# Altium PCB SAM_E54_Xplained_Pro.PcbDoc (part 5 of 5) (continued)
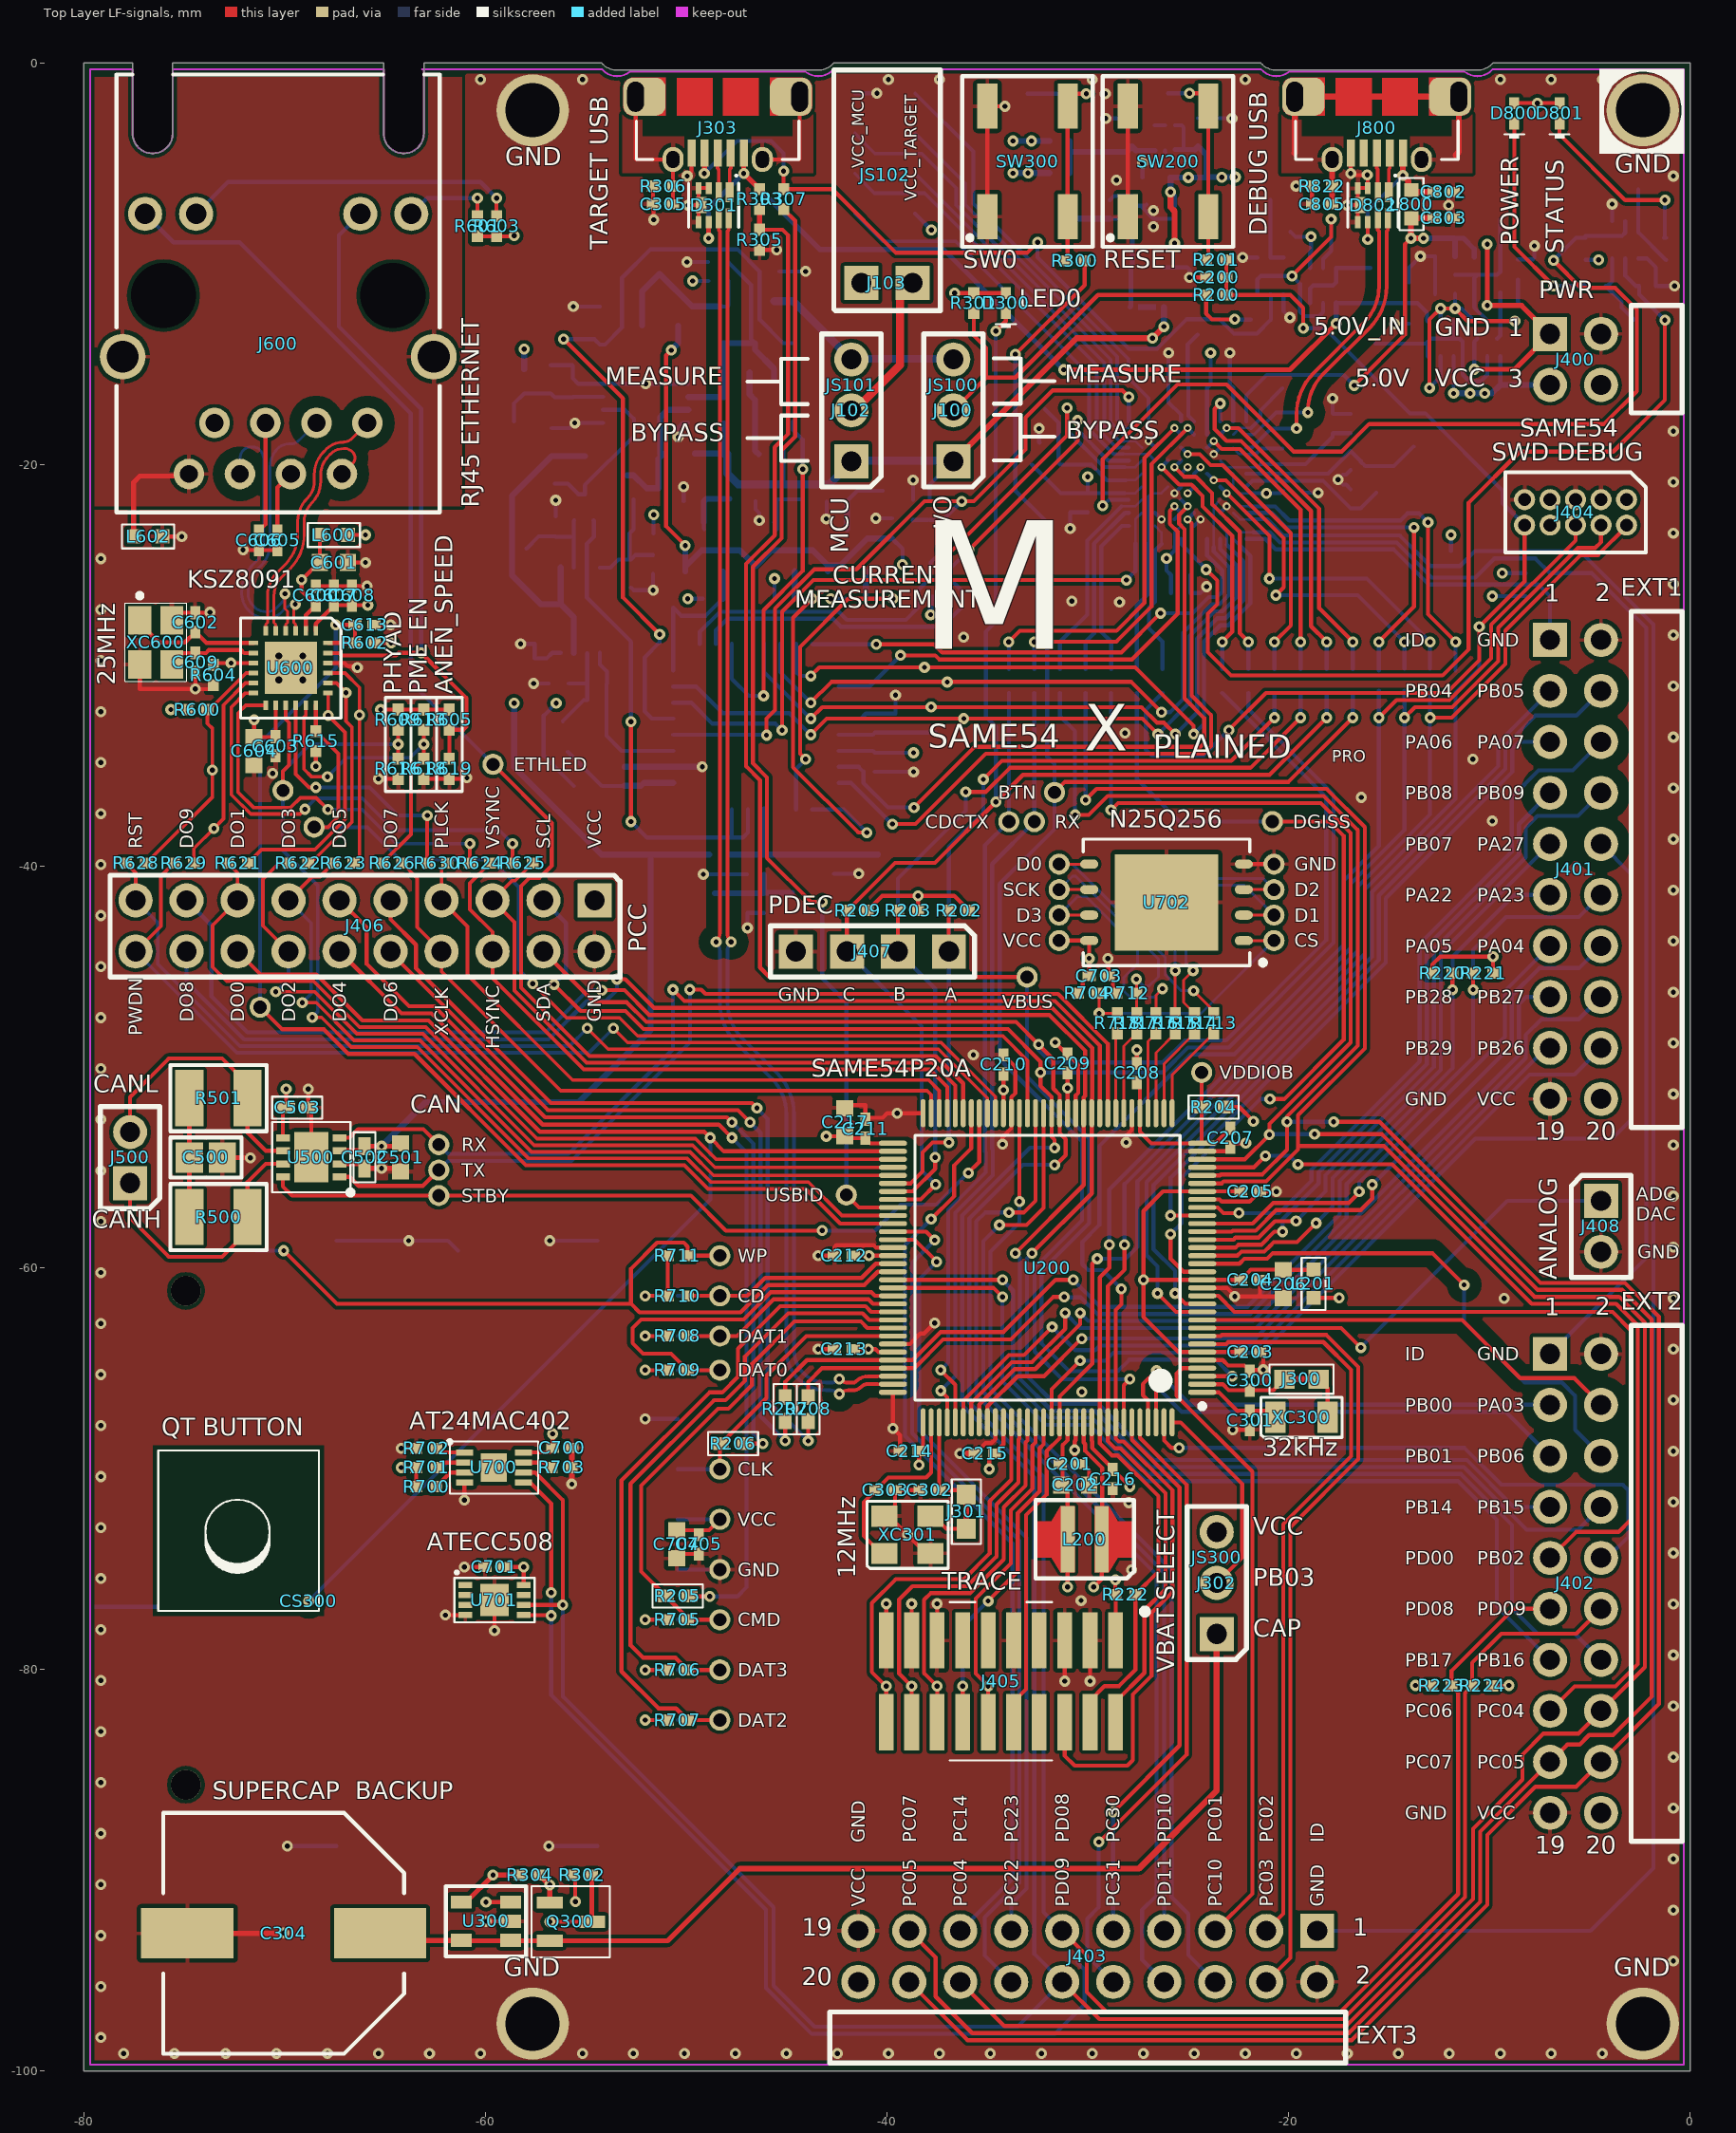
[diagram p0: Top Layer LF-signals view]
## Silkscreen, mask and mechanical layers (free items; w line width, h text height) (continued)
  text "VBAT SELECT" at -25.375,-80.188 h1.5 r90
  text "DAT3" at -47.423,-80.366 h0.67
  text "PC06" at -14.203,-82.406 h0.67
  text "PC04" at -10.611,-82.406 h0.67
  text "DAT2" at -47.423,-82.866 h0.67
  text "PC07" at -14.203,-84.946 h0.67
  text "PC05" at -10.611,-84.946 h0.67
  text "SUPERCAP  BACKUP" at -73.6,-86.775 h1.5
  text "GND" at -14.203,-87.486 h0.67
  text "VCC" at -10.611,-87.486 h0.67
  text "GND" at -41.094,-88.647 h0.67 r90
  text "PC07" at -38.554,-88.647 h0.67 r90
  text "PC14" at -36.014,-88.647 h0.67 r90
  text "PC23" at -33.474,-88.647 h0.67 r90
  text "PD08" at -30.934,-88.647 h0.67 r90
  text "PC30" at -28.394,-88.647 h0.67 r90
  text "PD10" at -25.854,-88.647 h0.67 r90
  text "PC01" at -23.314,-88.647 h0.67 r90
  text "PC02" at -20.774,-88.647 h0.67 r90
  text "ID" at -18.234,-88.647 h0.67 r90
  text "19" at -7.725,-89.485 h1.5
  text "20" at -5.2,-89.485 h1.5
  text "VCC" at -41.094,-91.839 h0.67 r90
  text "PC05" at -38.554,-91.839 h0.67 r90
  text "PC04" at -36.014,-91.839 h0.67 r90
  text "PC22" at -33.474,-91.839 h0.67 r90
  text "PD09" at -30.934,-91.839 h0.67 r90
  text "PC31" at -28.394,-91.839 h0.67 r90
  text "PD11" at -25.854,-91.839 h0.67 r90
  text "PC10" at -23.314,-91.839 h0.67 r90
  text "PC03" at -20.774,-91.839 h0.67 r90
  text "GND" at -18.234,-91.839 h0.67 r90
  text "19" at -44.25,-93.575 h1.5
  text "1" at -16.8,-93.575 h1.5
  text "GND" at -59.1,-95.6 h1.52
  text "GND" at -3.8,-95.6 h1.52
  text "2" at -16.65,-95.975 h1.5
  text "20" at -44.25,-96.05 h1.5
  text "EXT3" at -16.65,-98.95 h1.5
Bottom Overlay:
  lines w0.15: -34.525,-35.1 -11.068,-35.1 ; -34.525,-35.025 -34.525,-29.5 -11.068,-29.5 -11.068,-35.025
  text "BOOT" at -34.05,-1.9 h1.5
  text "GND" at -43.352,-2.825 h1.2 r270
  text "TCK" at -42.6,-4 h1.5
  text "RST" at -34.827,-4 h1.5
  text "TDI" at -42.6,-6 h1.5
  text "TDO" at -34.6,-6 h1.5
  text "TMS" at -42.6,-8 h1.5
  text "VCC" at -34.621,-8 h1.5
  text "5V_IN" at -5.458,-12.358 h0.67
  text "GND" at -0.875,-14.125 h0.67
  text "3.3V" at -0.9,-16.35 h0.67
  text "5.0V" at -5.794,-17.9 h0.67
  text "GND" at -8.58,-20.895 h0.67 r270
  text "GND" at -6.04,-20.895 h0.67 r270
  text "GND" at -4.77,-20.895 h0.67 r270
  text "VCC" at -3.5,-20.895 h0.67 r270
  text "RST" at -7.344,-24.5 h0.67
  text "PA31" at -3.496,-26.067 h0.67 r270
  text "PB30" at -6.036,-26.291 h0.67 r270
  text "PA30" at -4.766,-26.291 h0.67 r270
  text "TXD" at -34.266,-28.23 h0.67 r270
  text "RXD" at -32.991,-28.23 h0.67 r270
  text "SCK" at -31.716,-28.23 h0.67 r270
  text "MOSI" at -30.441,-28.23 h0.67 r270
  text "MISO" at -29.166,-28.23 h0.67 r270
  text "SS" at -27.891,-28.23 h0.67 r270
  text "SDA" at -23.631,-28.23 h0.67 r270
  text "SCL" at -22.34,-28.23 h0.67 r270
  text "GPIO0" at -21.049,-28.23 h0.67 r270
  text "GPIO1" at -19.757,-28.23 h0.67 r270
  text "GPIO2" at -18.466,-28.23 h0.67 r270
  text "GPIO3" at -17.175,-28.23 h0.67 r270
  text "SWO" at -15.884,-28.23 h0.67 r270
  text "SWCLK" at -14.593,-28.23 h0.67 r270
  text "SWDIO" at -13.301,-28.23 h0.67 r270
  text "RESET" at -12.01,-28.23 h0.67 r270
  text "SNS" at -25.625,-28.825 h0.67 r270
  text "ID" at -8.142,-29.066 h0.67
  text "GND" at -0.795,-29.066 h0.67
  text "PB04" at -8.142,-31.606 h0.67
  text "PB05" at -0.795,-31.606 h0.67
  text "PC15" at -59.961,-33.915 h0.67 r270
  text "PA06" at -8.142,-34.146 h0.67
  text "PA07" at -0.795,-34.146 h0.67
  text "PB25" at -34.266,-34.73 h0.67 r270
  text "PB24" at -32.991,-34.73 h0.67 r270
  text "PC05" at -31.716,-34.73 h0.67 r270
  text "PC04" at -30.441,-34.73 h0.67 r270
  text "PC07" at -29.166,-34.73 h0.67 r270
  text "PD01" at -27.891,-34.73 h0.67 r270
  text "RSTN" at -26.616,-34.73 h0.67 r270
  text "PD08" at -23.631,-34.73 h0.67 r270
  text "PD09" at -22.34,-34.73 h0.67 r270
  text "PC16" at -21.049,-34.73 h0.67 r270
  text "PC17" at -19.757,-34.73 h0.67 r270
  text "PC18" at -18.466,-34.73 h0.67 r270
  text "PB31" at -17.175,-34.73 h0.67 r270
  text "PB30" at -15.884,-34.73 h0.67 r270
  text "PA30" at -14.593,-34.73 h0.67 r270
  text "PA31" at -13.301,-34.73 h0.67 r270
  text "RSTN" at -12.01,-34.73 h0.67 r270
  text "PC20" at -70.423,-35.265 h0.67 r270
  text "EDBG DISCONNECT" at -17.926,-36.1 h0.67
  text "PB31" at -32.665,-36.661 h0.67
  text "PB08" at -8.142,-36.686 h0.67
  text "PB09" at -0.795,-36.686 h0.67
  text "PD12" at -68.874,-37.048 h0.67 r270
  text "PB25" at -34.939,-38.116 h0.67
  text "PB24" at -29.186,-38.116 h0.67
  text "PD01" at -21.81,-38.113 h0.67
  text "PB07" at -8.142,-39.226 h0.67
  text "PA27" at -0.795,-39.226 h0.67
  text "PA08" at -27.956,-40.231 h0.67
  text "GND" at -21.735,-40.231 h0.67
  text "PC12" at -77.766,-40.4 h0.67 r270
  text "PB15" at -75.226,-40.4 h0.67 r270
  text "PA17" at -72.686,-40.4 h0.67 r270
  text "PA19" at -70.146,-40.4 h0.67 r270
  text "PA21" at -67.606,-40.4 h0.67 r270
  text "PA23" at -65.066,-40.4 h0.67 r270
  text "PA14" at -62.526,-40.4 h0.67 r270
  text "PA12" at -59.986,-40.4 h0.67 r270
  text "PD09" at -57.446,-40.4 h0.67 r270
  text "VCC" at -54.906,-40.4 h0.67 r270
  text "PB10" at -28.068,-41.501 h0.67
  text "PA10" at -21.735,-41.501 h0.67
  text "PA22" at -8.142,-41.766 h0.67
  text "PA23" at -0.795,-41.766 h0.67
  text "PA11" at -28.292,-42.771 h0.67
  text "PA09" at -21.735,-42.771 h0.67
  text "VCC" at -28.628,-44.041 h0.67
  text "PB11" at -21.735,-44.041 h0.67
  text "PA05" at -8.142,-44.306 h0.67
  text "PA04" at -0.795,-44.306 h0.67
  text "PC00" at -29.567,-45.861 h0.67
  text "PB28" at -8.142,-46.846 h0.67
  text "PB27" at -0.795,-46.846 h0.67
  text "GND" at -54.906,-47.298 h0.67 r270
  text "GND" at -44.871,-47.413 h0.67 r270
  text "PC11" at -77.766,-47.634 h0.67 r270
  text "PB14" at -75.226,-47.858 h0.67 r270
  text "PA16" at -72.686,-47.858 h0.67 r270
  text "PA18" at -70.146,-47.858 h0.67 r270
  text "PA15" at -62.526,-47.858 h0.67 r270
  text "PA13" at -59.986,-47.858 h0.67 r270
  text "PA20" at -67.606,-47.97 h0.67 r270
  text "PA22" at -65.066,-47.97 h0.67 r270
  text "PD08" at -57.446,-47.97 h0.67 r270
  text "PC18" at -42.331,-47.972 h0.67 r270
  text "PC17" at -39.791,-47.972 h0.67 r270
  text "PC16" at -37.251,-47.972 h0.67 r270
  text "XPLAINED PRO" at -14.925,-48.293 h0.67
  text "PB29" at -8.142,-49.386 h0.67
  text "PB26" at -0.795,-49.386 h0.67
  text "EXTENSION HEADER" at -13.581,-49.443 h0.67
  text "PC21" at -71.561,-50.169 h0.67 r270
  text "VDDIOB" at -25.335,-50.611 h0.67
  text "GND" at -8.142,-51.926 h0.67
  text "VCC" at -0.795,-51.926 h0.67
  text "ID" at -18.85,-53 h1.3
  text "GND" at -11.725,-53 h1.3
  text "CANL" at -73.773,-53.578 h0.67
  text "PB13" at -58.848,-54.201 h0.67
  text "ADC+" at -18.85,-55.125 h1.3
  text "ADC-" at -11.725,-55.125 h1.3
  text "PB12" at -58.848,-55.471 h0.67
  text "CANH" at -73.773,-56.118 h0.67
  text "PC19" at -38.667,-56.711 h0.67
  text "PC13" at -58.848,-56.741 h0.67
  text "PA02" at -0.795,-56.974 h0.67
  text "GPIO0" at -18.85,-57.25 h1.3
  text "GPIO1" at -11.725,-57.25 h1.3
  text "QTOUCH / DISCONNECT" at -51.45,-58.178 h0.67 r270
  text "PWM+" at -18.85,-59.375 h1.3
  text "PWM-" at -11.725,-59.375 h1.3
  text "GND" at -0.795,-59.515 h0.67
  text "PD21" at -44.848,-59.736 h0.67
  text "VDDANA" at -27.561,-59.815 h0.67 r270
  text "IRQ" at -18.85,-61.5 h1.3
  text "SPI_SS_B" at -11.725,-61.5 h1.3
  text "PD20" at -44.848,-61.736 h0.67
  text "TWI_SDA" at -18.85,-63.625 h1.3
  text "TWI_SCL" at -11.725,-63.625 h1.3
  text "PB19" at -44.848,-63.736 h0.67
  text "ID" at -8.142,-64.626 h0.67
  text "GND" at -0.795,-64.626 h0.67
  text "PB18" at -44.848,-65.436 h0.67
  text "UART_RX" at -18.85,-65.75 h1.3
  text "UART_TX" at -11.725,-65.75 h1.3
  text "PB00" at -8.142,-67.166 h0.67
  text "PA03" at -0.795,-67.166 h0.67
  text "SPI_SS_A" at -18.85,-67.875 h1.3
  text "SPI_MOSI" at -11.725,-67.875 h1.3
  text "PB01" at -8.142,-69.706 h0.67
  text "PB06" at -0.795,-69.706 h0.67
  text "SPI_MISO" at -18.85,-70 h1.3
  text "SPI_SCK" at -11.725,-70 h1.3
  text "PA21" at -44.848,-70.366 h0.67
  text "GND" at -18.85,-72.125 h1.3
  text "VCC" at -11.725,-72.125 h1.3
  text "PB14" at -8.142,-72.246 h0.67
  text "PB15" at -0.795,-72.246 h0.67
  text "VCC" at -44.848,-72.866 h0.67
  text "VCC" at -24.872,-73.496 h0.67
  text "PD00" at -8.142,-74.786 h0.67
  text "PB02" at -0.795,-74.786 h0.67
  text "VDDCORE" at -31.336,-75.04 h0.67 r270
  text "VSW" at -30.036,-75.04 h0.67 r270
  text "GND" at -44.848,-75.366 h0.67
  text "PB03" at -24.872,-76.036 h0.67
  text "SD CARD" at -78.9,-76.054 h1.5 r270
  text "PD08" at -8.142,-77.326 h0.67
  text "PD09" at -0.795,-77.326 h0.67
  text "PA20" at -44.848,-77.866 h0.67
  text "CAP" at -24.872,-78.576 h0.67
  text "PB17" at -8.142,-79.866 h0.67
  text "PB16" at -0.795,-79.866 h0.67
  text "PC24" at -40.376,-79.985 h0.67 r270
  text "PC25" at -39.106,-79.985 h0.67 r270
  text "PC26" at -37.836,-79.985 h0.67 r270
  text "PC28" at -36.566,-79.985 h0.67 r270
  text "PC27" at -35.296,-79.985 h0.67 r270
  text "PB21" at -44.848,-80.366 h0.67
  text "Microchip © 2017" at -12.58,-82.287 h2
  text "PC06" at -8.142,-82.406 h0.67
  text "PC04" at -0.795,-82.406 h0.67
  text "PB20" at -44.848,-82.866 h0.67
  text "PC07" at -8.142,-84.946 h0.67
  text "PC05" at -0.795,-84.946 h0.67
  text "GND" at -8.142,-87.486 h0.67
  text "VCC" at -0.795,-87.486 h0.67
  text "A08-2643 Rev 3" at -13.903,-87.705 h2
  text "GND" at -41.766,-91.853 h0.67 r270
  text "PC07" at -39.226,-91.853 h0.67 r270
  text "PC14" at -36.686,-91.853 h0.67 r270
  text "PC23" at -34.146,-91.853 h0.67 r270
  text "PD08" at -31.606,-91.853 h0.67 r270
  text "PC30" at -29.066,-91.853 h0.67 r270
  text "PD10" at -26.526,-91.853 h0.67 r270
  text "PC01" at -23.986,-91.853 h0.67 r270
  text "PC02" at -21.446,-91.853 h0.67 r270
  text "ID" at -18.906,-91.853 h0.67 r270
  text "t" at -60.075,-97.534 h5
  text "p" at -65.15,-98.15 h5
  text "c" at -49.525,-98.157 h5
  text "VCC" at -41.766,-99.295 h0.67 r270
  text "PC05" at -39.226,-99.295 h0.67 r270
  text "PC04" at -36.686,-99.295 h0.67 r270
  text "PC22" at -34.146,-99.295 h0.67 r270
  text "PD09" at -31.606,-99.295 h0.67 r270
  text "PC31" at -29.066,-99.295 h0.67 r270
  text "PD11" at -26.526,-99.295 h0.67 r270
  text "PC10" at -23.986,-99.295 h0.67 r270
  text "PC03" at -21.446,-99.295 h0.67 r270
  text "GND" at -18.906,-99.295 h0.67 r270
Board (M1):
  lines w0.1: -75.579,-0.004 -75.579,-3.5 cw(c-76.579,-3.5) -77.579,-3.5 -77.579,0 -80,0 -80,-100 0,-100 0,0 -9.825,0 cw(c-10.6,0.686) -10.6,-0.35 -20.6,-0.35 cw(c-20.6,0.686) -21.375,-0.001 -42.659,0 cw(c-43.434,0.686) -43.434,-0.35 -53.434,-0.35 cw(c-53.434,0.686) -54.209,-0.001 -63.071,0 ; -75.579,0 -65.071,0 -65.071,-3.475 ; -65.071,-3.5 ccw(c-64.071,-3.5) -63.071,-3.5 -63.071,-0.004 ; -19.1,-0.353 -12.082,-0.353
Conn. Pos. (M4):
  circle w0.254: c-6.97,-87.15 r0.5
  circle w0.254: c-4.43,-87.15 r0.5
  circle w0.254: c-4.43,-84.61 r0.5
  circle w0.254: c-6.97,-84.61 r0.5
  circle w0.254: c-6.97,-82.07 r0.5
  circle w0.254: c-4.43,-82.07 r0.5
  circle w0.254: c-4.43,-79.53 r0.5
  circle w0.254: c-6.97,-79.53 r0.5
  circle w0.254: c-4.43,-76.99 r0.5
  circle w0.254: c-6.97,-76.99 r0.5
  circle w0.254: c-6.97,-74.45 r0.5
  circle w0.254: c-4.43,-74.45 r0.5
  circle w0.254: c-4.43,-71.91 r0.5
  circle w0.254: c-6.97,-71.91 r0.5
  circle w0.254: c-4.43,-69.37 r0.5
  circle w0.254: c-6.97,-69.37 r0.5
  circle w0.254: c-4.43,-66.83 r0.5
  circle w0.254: c-6.97,-66.83 r0.5
  circle w0.254: c-4.43,-64.29 r0.5
  circle w0.254: c-6.97,-64.29 r0.5
  circle w0.254: c-18.57,-93.03 r0.5
  circle w0.254: c-18.57,-95.57 r0.5
  circle w0.254: c-21.11,-93.03 r0.5
  circle w0.254: c-21.11,-95.57 r0.5
  circle w0.254: c-23.65,-93.03 r0.5
  circle w0.254: c-23.65,-95.57 r0.5
  circle w0.254: c-26.19,-93.03 r0.5
  circle w0.254: c-26.19,-95.57 r0.5
  circle w0.254: c-28.73,-95.57 r0.5
  circle w0.254: c-28.73,-93.03 r0.5
  circle w0.254: c-31.27,-93.03 r0.5
  circle w0.254: c-31.27,-95.57 r0.5
  circle w0.254: c-33.81,-93.03 r0.5
  circle w0.254: c-33.81,-95.57 r0.5
  circle w0.254: c-36.35,-95.57 r0.5
  circle w0.254: c-36.35,-93.03 r0.5
  circle w0.254: c-38.89,-93.03 r0.5
  circle w0.254: c-38.89,-95.57 r0.5
  circle w0.254: c-41.43,-95.57 r0.5
  circle w0.254: c-41.43,-93.03 r0.5
  circle w0.2: c-57.65,-97.65 r1.35
  circle w0.2: c-2.35,-97.65 r1.35
  circle w0.254: c-6.97,-28.73 r0.5
  circle w0.254: c-4.43,-28.73 r0.5
  circle w0.254: c-6.97,-31.27 r0.5
  circle w0.254: c-4.43,-31.27 r0.5
  circle w0.254: c-6.97,-33.81 r0.5
  circle w0.254: c-4.43,-33.81 r0.5
  circle w0.254: c-6.97,-36.35 r0.5
  circle w0.254: c-4.43,-36.35 r0.5
  circle w0.254: c-4.43,-38.89 r0.5
  circle w0.254: c-6.97,-38.89 r0.5
  circle w0.254: c-6.97,-41.43 r0.5
  circle w0.254: c-4.43,-41.43 r0.5
  circle w0.254: c-6.97,-43.97 r0.5
  circle w0.254: c-4.43,-43.97 r0.5
  circle w0.254: c-4.43,-46.51 r0.5
  circle w0.254: c-6.97,-46.51 r0.5
  circle w0.254: c-6.97,-49.05 r0.5
  circle w0.254: c-4.43,-49.05 r0.5
  circle w0.254: c-4.43,-51.59 r0.5
  circle w0.254: c-6.97,-51.59 r0.5
  circle w0.254: c-4.43,-13.49 r0.5
  circle w0.254: c-6.97,-13.49 r0.5
  circle w0.254: c-6.97,-16.03 r0.5
  circle w0.254: c-4.43,-16.03 r0.5
  circle w0.2: c-2.35,-2.35 r1.35
  circle w0.2: c-57.65,-2.35 r1.35
  region: -10.891,-0.725 -12.991,-0.725 -12.991,-2.625 -10.891,-2.625
  region: -13.559,-0.725 -15.334,-0.725 -15.334,-2.625 -13.559,-2.625
  rectangle: -17.641,-2.625 -15.866,-0.725
  rectangle: -20.291,-2.625 -18.191,-0.725
  rectangle: -14.516,-5.15 -14.091,-3.8
  rectangle: -15.166,-5.15 -14.741,-3.8
  rectangle: -15.816,-5.15 -15.391,-3.8
  rectangle: -16.466,-5.15 -16.041,-3.8
  rectangle: -17.116,-5.15 -16.691,-3.8
  rectangle: -49.95,-5.15 -49.525,-3.8
  rectangle: -49.3,-5.15 -48.875,-3.8
  rectangle: -48.65,-5.15 -48.225,-3.8
  rectangle: -48,-5.15 -47.575,-3.8
  rectangle: -47.35,-5.15 -46.925,-3.8
  rectangle: -53.125,-2.625 -51.025,-0.725
  rectangle: -50.475,-2.625 -48.7,-0.725
  region: -46.393,-0.725 -48.168,-0.725 -48.168,-2.625 -46.393,-2.625
  region: -43.725,-0.725 -45.825,-0.725 -45.825,-2.625 -43.725,-2.625
  lines w0.1: -30.5,-94.3 -29.5,-94.3 ; -30,-94.792 -30,-93.792 ; -6.208,-75.72 -5.208,-75.72 ; -6.208,-40.16 -5.208,-40.16 ; -6.208,-14.76 -5.208,-14.76 ; -5.708,-15.26 -5.708,-14.26 ; -5.7,-76.22 -5.7,-75.22 ; -5.7,-40.66 -5.7,-39.66
  text "Connector Placement" at -54.966,6.575 h5
  text "TARGET USB" at -53.25,-7.575 h1
  text "DEBUG USB" at -19.95,-7.575 h1
  text "1" at -7.137,-12.05 h1
  text "2" at -4.763,-12.05 h1
  text "Power Header" at -22.594,-15.26 h1
  text "1" at -7.137,-27.29 h1
  text "2" at -4.763,-27.29 h1
  text "Extension Header 1" at -28.092,-40.66 h1
  text "1" at -7.137,-62.85 h1
  text "2" at -4.763,-62.85 h1
  text "Extension Header 2" at -28.092,-76.22 h1
  text "Extension Header 3" at -38.664,-91.138 h1
  text "1" at -15.78,-93.197 h1 r90
  text "2" at -15.78,-95.903 h1 r90
TP Pos. (M5):
  circle w0.5: c-26,-1.5 r0.25
  circle w0.5: c-33,-1.5 r0.25
  circle w0.5: c-38.6,-7.5 r0.25
  circle w0.5: c-38.6,-5.5 r0.25
  circle w0.5: c-38.6,-3.5 r0.25
  circle w0.5: c-38.6,-1.5 r0.25
  circle w0.5: c-41.6,-7.5 r0.25
  circle w0.5: c-41.6,-5.5 r0.25
  circle w0.5: c-41.6,-3.5 r0.25
  circle w0.5: c-41.6,-1.5 r0.25
  circle w0.2: c-2.35,-2.35 r1.35
  circle w0.2: c-57.65,-2.35 r1.35
  lines w0.3: -48.15,-22.225 -41.65,-22.225 -41.65,-8.425 ; -48.15,-20.075 -43.6,-20.075 -43.6,-5.525 ; -48.15,-17.8 -44.625,-17.8 -44.625,-3.475 -42.325,-3.475 ; -48.15,-15.725 -45.525,-15.725 -45.525,-1.5 -42.325,-1.5 ; -43.054,-6.2 -42.354,-5.5 -43.054,-4.8 ; -43.025,-4.175 -42.325,-3.475 ; -43.025,-2.775 -42.325,-3.475 ; -43.025,-2.2 -42.325,-1.5 ; -43.025,-0.8 -42.325,-1.5 ; -42.35,-9.125 -41.65,-8.425 ; -42.3,-9.225 -41.6,-8.525 -40.9,-9.225 ; -40.95,-9.125 -41.65,-8.425 ; -39.3,-9.225 -38.6,-8.525 -37.9,-9.225 ; -39.25,-9.125 -38.55,-8.425 ; -37.85,-9.125 -38.55,-8.425 ; -37.175,-6.125 -37.875,-5.425 ; -37.175,-4.725 -37.875,-5.425 ; -37.175,-4.175 -37.875,-3.475 ; -37.175,-2.775 -37.875,-3.475 ; -37.175,-2.2 -37.875,-1.5 ; -37.175,-0.8 -37.875,-1.5 ; -33.675,-3.25 -32.975,-2.55 ; -32.975,-7.125 -32.975,-2.55 ; -32.275,-3.25 -32.975,-2.55 ; -32.05,-22.225 -38.55,-22.225 -38.55,-8.425 ; -32.05,-20.075 -36.6,-20.075 -36.6,-5.425 -37.875,-5.425 ; -32.05,-17.8 -35.575,-17.8 -35.575,-3.475 -37.875,-3.475 ; -32.05,-15.725 -34.675,-15.725 -34.675,-1.5 -37.875,-1.5 ; -26.7,-3.2 -26,-2.5 ; -26,-4.5 -26,-2.5 ; -25.3,-3.2 -26,-2.5
  text "Test Points Placement" at -54.966,14.675 h5
  text "TP_TARGET_RESET" at -26.425,-6.075 h1
  text "TP_TARGET_BOOT" at -33.45,-8.7 h1
  text "TP_GND" at -54.427,-16.175 h1
  text "TP_EDBG_BOOT" at -31.25,-16.175 h1
  text "TP_EDBG_TCK" at -59.377,-18.383 h1
  text "TP_EDBG_RESET" at -31.25,-18.383 h1
  text "TP_EDBG_TDI" at -59.044,-20.592 h1
  text "TP_EDBG_TDO" at -31.25,-20.592 h1
  text "TP_EDBG_TMS" at -59.377,-22.8 h1
  text "TP_VCC_EDBG_P3V3" at -31.25,-22.8 h1
  text "TEST POINTS ON BOTTOM LAYER" at -52.725,-27.9 h1
Dimentions (M6):
  circle w0.254: c-57.65,-2.35 r1.35
  circle w0.254: c-2.35,-2.35 r1.35
  circle w0.254: c-2.35,-97.65 r1.35
  circle w0.254: c-57.65,-97.65 r1.35
  text "Mechanical Dimensions" at -54.966,10.725 h5
Conn. Doc. (M7):
  drawing of 286 lines, arcs and shapes, not listed
  text "TARGET USB" at -53.269,-6.95 h1
  text "DEBUG USB" at -19.95,-6.95 h1
  text "1" at -41.437,-9.569 h1
  text "2" at -39.063,-9.569 h1
  text "MCU Power" at -35.625,-10.586 h1 r90
  text "1" at -7.162,-12.05 h1
  text "2" at -4.788,-12.05 h1
  text "MEASURE" at -31.15,-16.2 h1.5
  text "MEASURE" at -54.024,-16.323 h1.5
  text "Power Header" at -1.563,-16.403 h1 r90
  text "BYPASS" at -31.075,-19.025 h1.5
  text "BYPASS" at -52.755,-19.144 h1.5
  text "I/O" at -36.5,-23.25 h1.5 r90
  text "CORTEX / DEBUG" at -18.702,-24.2 h1
  text "Ethernet" at -73.907,-24.375 h1
  text "MCU" at -41.625,-24.4 h1.5 r90
  text "1" at -7.162,-27.29 h1
  text "2" at -4.788,-27.29 h1
  text "Current Measurement" at -47,-28.375 h1
  text "Parallel Capture Controller" at -78.663,-47.125 h1
  text "Extension Header 1" at -1.687,-48.657 h1 r90
  text "Position Decoder" at -44.625,-48.95 h1
  text "CAN" at -74.875,-55.825 h1 r90
  text "ADC/DAC" at -1.25,-61.272 h1 r90
  text "1" at -7.162,-62.85 h1
  text "2" at -4.788,-62.85 h1
  text "SD Card" at -68.757,-74.212 h1
  text "Backup" at -20.425,-78.532 h1 r90
  text "Extension Header 2" at -1.687,-84.217 h1 r90
  text "CORTEX / DEBUG + ETM" at -40.526,-89.2 h1
  text "1" at -16.768,-93.53 h1
  text "2" at -16.768,-96.07 h1
  text "Extension Header 3" at -38.664,-98.875 h1
Test Jig (M9):
  circle w0.5: c-57.65,-2.35 r1.5
  circle w0.5: c-57.65,-97.65 r1.5
  circle w0.5: c-2.35,-2.35 r1.5
  circle w0.5: c-2.35,-97.65 r1.5
  circle w0.5: c-31.65,44 r1.25
  circle w0.5: c-0.4,44 r1.25
  circle w0.5: c-64.4,44 r1.25
  region: -130.651,-37.181 -130.65,-37.181 -130.651,-37.181
  lines w0.5: -113.65,-62.5 -130.65,-62.5 cw(c-130.65,-61) -132.15,-61 -132.15,-39 cw(c-130.65,-39) -130.65,-37.5 -113.65,-37.5 ; -2.15,-62.5 ccw(c-3.65,-62.5) -3.65,-61 -22.15,-61 -22.15,-55 -3.65,-55 ccw(c-3.65,-53.5) -2.15,-53.5 ; -2.15,-61 ccw(c-0.65,-61) -0.65,-62.5 15.35,-62.5 ccw(c15.35,-61) 16.85,-61 16.85,-39 ccw(c15.35,-39) 15.35,-37.5 -2.15,-37.5 ; -0.15,-6.5 cw(c-0.15,-8) 1.35,-8 1.35,-18 cw(c-0.15,-18) -0.15,-19.5 -2.15,-19.5 -2.15,-92.5 cw(c-3.65,-92.5) -3.65,-94 -10.15,-94 -10.15,-97 cw(c-11.65,-97) -11.65,-98.5 -48.65,-98.5 cw(c-48.65,-97) -50.15,-97 -50.15,-94 -65.15,-94 -65.15,-97 cw(c-66.65,-97) -66.65,-98.5 -103.65,-98.5 cw(c-103.65,-97) -105.15,-97 -105.15,-94 -112.15,-94 cw(c-112.15,-92.5) -113.65,-92.5 -113.65,-8 cw(c-112.15,-8) -112.15,-6.5 -106.65,-6.5 ccw(c-106.65,-5) -105.15,-5 -105.15,-2 cw(c-103.65,-2) -103.65,-0.5 -66.65,-0.5 cw(c-66.65,-2) -65.15,-2 -65.15,-6.5 -50.15,-6.5 -50.15,-2 cw(c-48.65,-2) -48.65,-0.5 -11.65,-0.5 cw(c-11.65,-2) -10.15,-2 -10.15,-5 ccw(c-8.65,-5) -8.65,-6.5 -0.144,-6.5 ; -147.15,-114.318 -147.15,46.318 -143.968,49.5 28.668,49.5 31.85,46.318 31.85,-114.318 28.668,-117.5 -143.968,-117.5 -147.15,-114.318 ; -71.15,3.5 cw(c-71.15,5) -71.15,6.5 -71.15,35.5 cw(c-71.15,37) -71.15,38.5 6.35,38.5 cw(c6.35,37) 6.35,35.5 6.35,6.5 cw(c6.35,5) 6.35,3.5 -71.15,3.5
Test Jig Pin (M10):
  circle w0.5: c-2.35,-97.65 r2.5
  circle w0.5: c-57.65,-97.65 r2.5
  circle w0.5: c-57.65,-2.35 r2.5
  circle w0.5: c-2.35,-2.35 r1.5
  circle w0.5: c-57.65,-2.35 r1.5
  circle w0.5: c-57.65,-97.65 r1.5
  circle w0.5: c-2.35,-2.35 r2.5
  circle w0.5: c-2.35,-97.65 r1.5
Title Top (M16):
  lines w0.127: -219,-126.915 -213.92,-126.915 ; -219,-56.255 -213.92,-56.255 ; -219,14.23 -213.92,14.23 ; -169.724,-197.4 -169.724,-192.32 ; -169.724,79.46 -169.724,84.54 ; -120.5,-197.4 -120.5,-192.32 ; -120.5,79.46 -120.5,84.54 ; -71.349,-197.4 -71.349,-192.32 ; -71.349,79.46 -71.349,84.54 ; -22.15,-197.4 -22.15,-192.32 ; -22.15,79.46 -22.15,84.54 ; 27.126,-197.4 27.126,-192.32 ; 27.126,79.46 27.126,84.54 ; 55.32,-184.7 169.62,-184.7 ; 55.32,-177.08 169.62,-177.08 ; 55.32,-169.46 93.42,-169.46 ; 76.198,-197.4 76.198,-192.32 ; 76.198,79.46 76.198,84.54 ; 93.42,-192.32 93.42,-177.08 93.42,-161.84 ; 125.424,-197.4 125.424,-192.32 ; 125.424,79.46 125.424,84.54 ; 146.76,-192.32 146.76,-177.08 ; 169.62,-126.915 174.7,-126.915 ; 169.62,-56.3 174.7,-56.3 ; 169.62,14.23 174.7,14.23 ; 55.32,-192.32 19.76,-192.32 19.76,-161.84 55.32,-161.84 ; 55.32,-192.32 169.62,-192.32 ; 55.32,-192.32 55.32,-161.84 ; 55.32,-161.84 93.42,-161.84 ; 93.42,-161.84 169.62,-161.84 169.62,-192.32 ; 169.62,-192.32 -213.92,-192.32 -213.92,79.46 169.62,79.46 169.62,-192.32 ; -219,-197.4 -219,84.54 174.7,84.54 174.7,-197.4 -219,-197.4
  text "1" at -194.082,81.664 h0.67
  text "2" at -145.204,81.664 h0.67
  text "3" at -95.674,81.664 h0.67
  text "4" at -46.668,81.664 h0.67
  text "5" at 2.04,81.664 h0.67
  text "6" at 51.062,81.664 h0.67
  text "7" at 100.592,81.664 h0.67
  text "8" at 149.478,81.664 h0.67
  text "A" at -216.716,47.301 h0.67
  text "A" at 171.904,47.301 h0.67
  text "B" at -216.684,-20.799 h0.67
  text "B" at 171.936,-20.799 h0.67
  text "C" at -216.7,-91.488 h0.67
  text "C" at 171.92,-91.488 h0.67
  text "D" at -216.684,-164.202 h0.67
  text "D" at 171.936,-164.202 h0.67
  text "ENGINEER:" at 56.59,-164.38 h0.67
  text "TITLE:" at 94.69,-164.38 h0.67
  text "PCB DESIGNER:" at 56.59,-171.873 h0.67
  text "B" at 20.75,-177 h22
  text "DATE:" at 56.59,-179.62 h0.67
  text "PART NO.:" at 94.69,-179.62 h0.67
  text "REV:" at 148.03,-179.62 h0.67
  text ".PRINT_DATE" at 56.7,-183.5 h0.67
  text "ATMEL NORWAY" at 24,-184.4 h0.67
  text "Vestre Rosten 79" at 23.97,-186.478 h0.67
  text "FILE NAME:" at 56.59,-187.24 h0.67
  text "DWG NO:" at 94.69,-187.24 h0.67
  text "SCALE:" at 148.03,-187.24 h0.67
  text "N-7075 Tiller" at 23.97,-189.78 h0.67
  text ".PCB_FILE_NAME_NO_PATH" at 57.86,-190.288 h0.67
  text "1" at -194.082,-195.196 h0.67
  text "2" at -145.204,-195.196 h0.67
  text "3" at -95.674,-195.196 h0.67
  text "4" at -46.652,-195.196 h0.67
  text "5" at 2.04,-195.196 h0.67
  text "6" at 51.062,-195.196 h0.67
  text "7" at 100.592,-195.196 h0.67
  text "8" at 149.478,-195.196 h0.67
Title Bot (M17):
  lines w0.127: -219,-126.915 -213.92,-126.915 ; -219,-56.3 -213.92,-56.3 ; -219,14.23 -213.92,14.23 ; -213.92,-184.7 -99.62,-184.7 ; -213.92,-177.08 -99.62,-177.08 ; -191.06,-192.32 -191.06,-177.08 ; -169.724,-197.4 -169.724,-192.32 ; -169.724,79.46 -169.724,84.54 ; -137.72,-192.32 -137.72,-177.08 -137.72,-161.84 ; -137.72,-169.46 -99.62,-169.46 ; -120.498,-197.4 -120.498,-192.32 ; -120.498,79.46 -120.498,84.54 ; -71.349,-197.4 -71.349,-192.32 ; -71.349,79.46 -71.349,84.54 ; -22.15,-197.4 -22.15,-192.32 ; -22.15,79.46 -22.15,84.54 ; 27.126,-197.4 27.126,-192.32 ; 27.126,79.46 27.126,84.54 ; 76.2,-197.4 76.2,-192.32 ; 76.2,79.46 76.2,84.54 ; 125.424,-197.4 125.424,-192.32 ; 125.424,79.46 125.424,84.54 ; 169.62,-126.915 174.7,-126.915 ; 169.62,-56.255 174.7,-56.255 ; 169.62,14.23 174.7,14.23 ; -213.92,-192.32 169.62,-192.32 169.62,79.46 -213.92,79.46 -213.92,-192.32 ; -213.92,-192.32 -99.62,-192.32 ; -213.92,-192.32 -213.92,-161.84 -137.72,-161.84 ; -137.72,-161.84 -99.62,-161.84 ; -99.62,-192.32 -64.06,-192.32 -64.06,-161.84 -99.62,-161.84 ; -99.62,-192.32 -99.62,-161.84 ; -219,-197.4 174.7,-197.4 174.7,84.54 -219,84.54 -219,-197.4
  text "8" at -193.778,81.664 h0.67
  text "7" at -144.756,81.664 h0.67
  text "6" at -95.226,81.664 h0.67
  text "5" at -46.204,81.664 h0.67
  text "4" at 2.504,81.664 h0.67
  text "3" at 51.51,81.664 h0.67
  text "2" at 101.04,81.664 h0.67
  text "1" at 149.782,81.664 h0.67
  text "A" at -216.204,47.301 h0.67
  text "A" at 172.416,47.301 h0.67
  text "B" at -216.236,-20.799 h0.67
  text "B" at 172.384,-20.799 h0.67
  text "C" at -216.22,-91.488 h0.67
  text "C" at 172.4,-91.488 h0.67
  text "D" at -216.236,-164.202 h0.67
  text "D" at 172.384,-164.202 h0.67
  text "TITLE:" at -138.99,-164.38 h0.67
  text "ENGINEER:" at -100.89,-164.38 h0.67
  text "PCB DESIGNER:" at -100.89,-171.873 h0.67
  text "B" at -65.05,-177 h22
  text "REV:" at -192.33,-179.62 h0.67
  text "PART NO.:" at -138.99,-179.62 h0.67
  text "DATE:" at -100.89,-179.62 h0.67
  text ".PRINT_DATE" at -101,-183.5 h0.67
  text "ATMEL NORWAY" at -68.3,-184.4 h0.67
  text "Vestre Rosten 79" at -68.27,-186.478 h0.67
  text "SCALE:" at -192.33,-187.24 h0.67
  text "DWG NO:" at -138.99,-187.24 h0.67
  text "FILE NAME:" at -100.89,-187.24 h0.67
  text "N-7075 Tiller" at -68.27,-189.78 h0.67
  text ".PCB_FILE_NAME_NO_PATH" at -102.16,-190.288 h0.67
  text "8" at -193.778,-195.196 h0.67
  text "7" at -144.756,-195.196 h0.67
  text "6" at -95.226,-195.196 h0.67
  text "5" at -46.204,-195.196 h0.67
  text "4" at 2.488,-195.196 h0.67
  text "3" at 51.51,-195.196 h0.67
  text "2" at 101.04,-195.196 h0.67
  text "1" at 149.782,-195.196 h0.67

## Dimensions
-2.35,-99 to 0,-100 on Dimentions (M6)
0,-100 to -1,-97.65 on Dimentions (M6)
-41.85,-5.5 to -41.85,-7.5 on TP Pos. (M5)
-25.75,-1.5 to 0,0 on TP Pos. (M5)
0,0 to -41.6,-1.25 on TP Pos. (M5)
0,0 to -38.6,-1.25 on TP Pos. (M5)
0,0 to -33,-1.25 on TP Pos. (M5)
0,0 to -26,-1.25 on TP Pos. (M5)
-80,-100 to -57.65,-99 on Dimentions (M6)
-59,-97.65 to -80,-100 on Dimentions (M6)
-57.65,-2.35 to -62.775,1.6 on Dimentions (M6)
-80,-100 to 0,-100 on Dimentions (M6)
-42.659,0 to 0,0 on Dimentions (M6)
-54.209,0 to 0,0 on Dimentions (M6)
-21.375,0 to 0,0 on Dimentions (M6)
-9.825,0 to 0,0 on Dimentions (M6)
0,0 to 0,-100 on Dimentions (M6)
-5.208,-75.72 to 0,-100 on Conn. Pos. (M4)
-30,-94.792 to 0,-100 on Conn. Pos. (M4)
-29.5,-94.3 to 0,-100 on Conn. Pos. (M4)
-5.208,-14.76 to 0,-100 on Conn. Pos. (M4)
-5.208,-40.16 to 0,-100 on Conn. Pos. (M4)
0,0 to -48.434,-1.425 on Conn. Pos. (M4)
-15.35,-1.675 to 0,0 on Conn. Pos. (M4)
0,0 to -15.6,-1.425 on Conn. Pos. (M4)

## Text inside footprints (layer, text, board x,y; h text height)
LABEL1: Bottom Overlay "PCBA LABEL" at -16.791,-85.104 h1.52